# Altium PCB Health Bracelet PCB edited.PcbDoc
Units mm, origin at the board's own origin, x right, y up, seen from the top; angles counter-clockwise.
Board outline 41.07 x 14.09 mm, 2 copper layers (Top Layer, Bottom Layer); 64 components, 52 nets, 261 pads, 122 vias.
Unrouted connection lines stored in the file: 157.
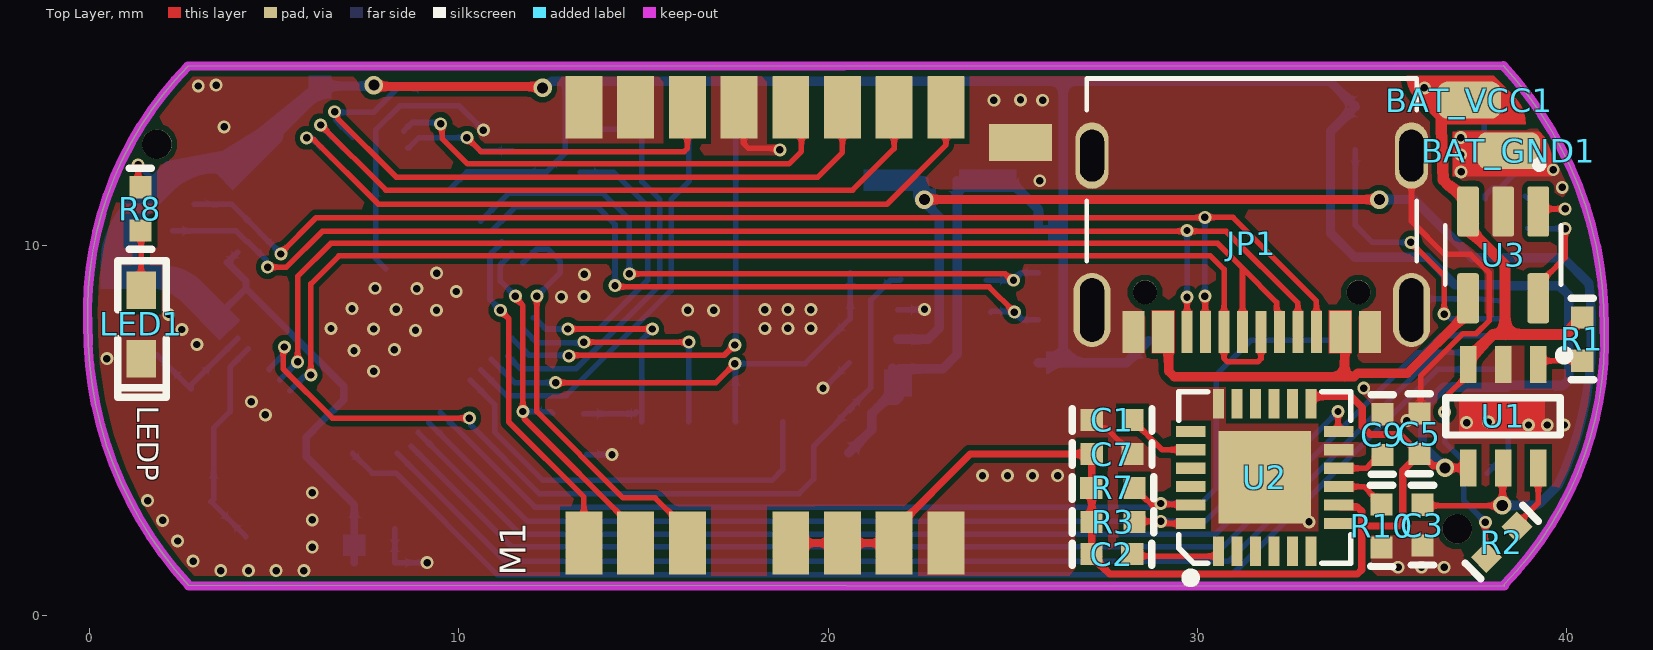
[diagram p0: Top Layer view]
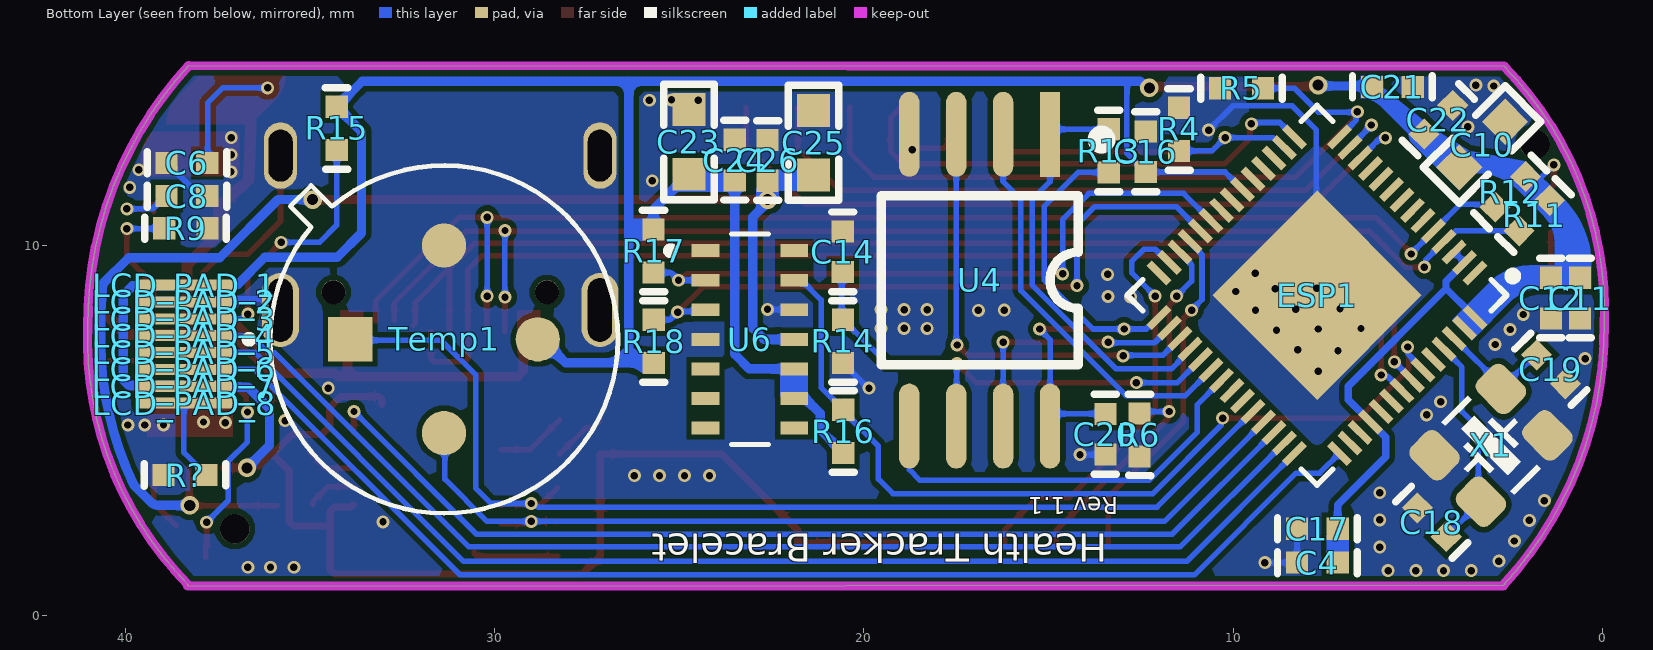
[diagram p1: Bottom Layer view, seen from below]
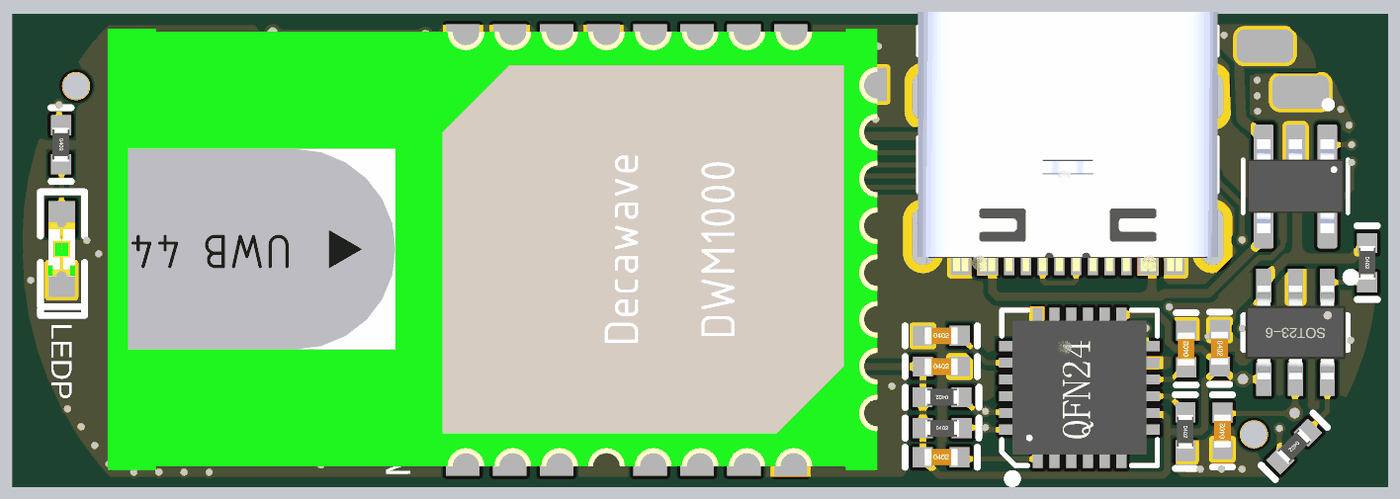
[diagram p2: 3D render of the assembled board from above, using the file's embedded part models]
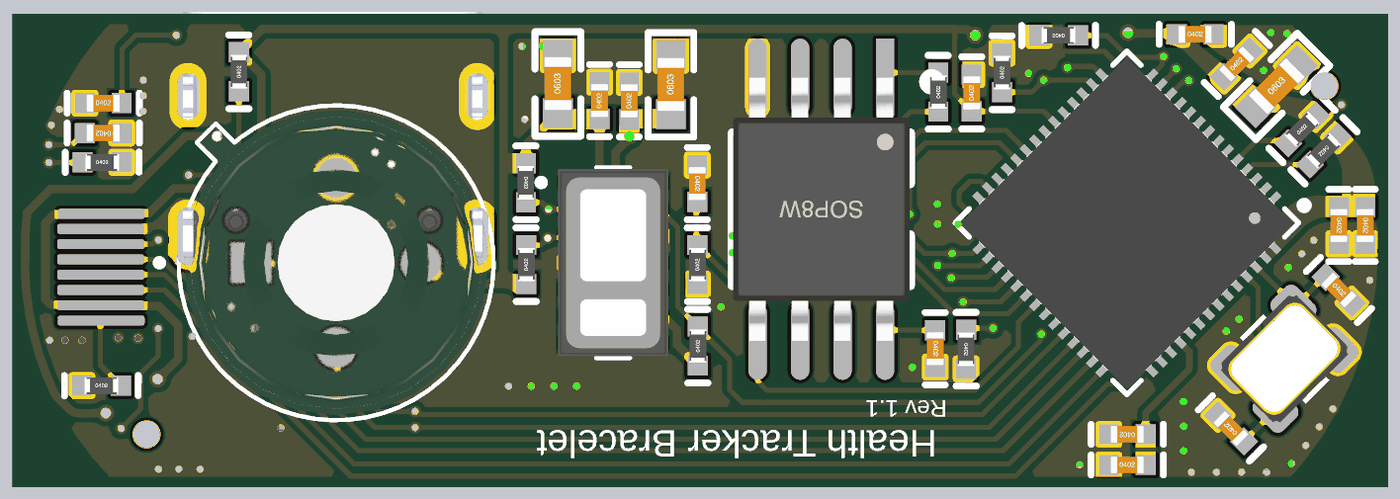
[diagram p3: 3D render of the assembled board from below, using the file's embedded part models]

## Layer stack, top to bottom
Top Solder: solder mask 0.0102, Solder Resist, Dk 3.5
Top Layer: signal copper 0.0356
Dielectric 1: dielectric 0.32, FR-4, Dk 4.8
Bottom Layer: signal copper 0.0356
Bottom Solder: solder mask 0.0102, Solder Resist, Dk 3.5

## Board outline
2.69,0.806 cw(c10.281,7.811) -0.048,7.889 -0.045,7.824 cw(c9.449,8.204) 2.667,14.859 38.28,14.881 cw(c30.688,7.877) 41.017,7.798 41.014,7.864 cw(c31.521,7.483) 38.302,0.828 38.302,0.787

## Design rules (kind name [scope] priority, off if disabled: settings)
Clearance [InNamedPolygon('GND_L01_P002') Or InNamedPolygon('GND_L02_P003')] p1: gap=0.15 ignorepadtopadclearanceinfootprint=FALSE
Clearance Track-Pad [All] p2: gap=0.1 ignorepadtopadclearanceinfootprint=FALSE
ComponentClearance [All] p1: gap=0 collisioncheckmode=3 verticalgap=0 showdistances=FALSE
PolygonConnect PolygonConnect_2 [All vs IsNamedPolygon('GND_L01_P002') Or IsNamedPolygon('GND_L02_P003')] p1: connectstyle=Direct reliefconductorwidth=0.254 reliefentries=4 polygonreliefangle="90 Angle" airgapwidth=0.254
PolygonConnect PolygonConnect_1 [All vs IsNamedPolygon('NONET_L01_P000') Or IsNamedPolygon('NONET_L01_P001')] p2: connectstyle=Direct reliefconductorwidth=0.254 reliefentries=4 polygonreliefangle="90 Angle" airgapwidth=0.254
PolygonConnect [All] p3: connectstyle=Direct reliefconductorwidth=0.254 reliefentries=4 polygonreliefangle="90 Angle" airgapwidth=0.254
RoomDefinition Main [InComponentClass('Main')] p1 off: confinementstyle=ConfineIn formatcopy=TRUE lockcomponents=FALSE outline -0.787,62.865 15.723,62.865 15.723,77.343 -0.787,77.343
RoutingVias [All] p1: holewidth=0.2 width=0.35 viastyle="Through Hole" minholewidth=0.2 minwidth=0.35 maxholewidth=0.5 maxwidth=0.9
SolderMaskExpansion [All] p1: expansion=0.102 istentingtop=FALSE
UnRoutedNet [All] p1: checkbadconnections=TRUE
Width [All] p1: maxlimit=0.5 minlimit=0.15 preferedwidth=0.254
28 further rules are at their usual default settings.

## Components (designator, comment, footprint, x,y, rotation, side; value= is the part's Value field where it differs from the comment)
BAT_GND1 "Test Point Pad" TP07SQ#1 38.43,12.573 r180 top
BAT_VCC1 "Test Point Pad" TP07SQ#1 37.363,13.945 r180 top
C1 "2200pF" "C 0402" 27.689,5.283 r0 top
C2 "0.01uF" "C 0402" 27.686,1.651 r0 top
C3 "1uF" "C 0402" 36.093,2.438 r90 top
C4 "0.1uF" "C 0402" 7.722,1.422 r180 bottom
C5 "1uF" "C 0402" 36.01,4.91 r270 top
C6 "1uF" "C 0402" 38.329,12.243 r180 bottom
C7 "0.1uF" "C 0402" 27.689,4.362 r0 top
C8 "1uF" "C 0402" 38.329,11.347 r0 bottom
C9 "0.1uF" "C 0402" 35.01,4.89 r90 top
C10 "10uF" "C 0603" 3.251,12.751 r135 bottom
C11 "0.1uF" "C 0402" 0.61,8.585 r270 bottom
C12 "0.1uF" "C 0402" 1.397,8.585 r270 bottom
C14 "1uf" "C 0402" 20.574,9.836 r270 bottom
C16 "0.1uF" "C 0402" 12.37,12.548 r90 bottom
C17 "0.1uF" "C 0402" 7.722,2.337 r0 bottom
C18 "=Value" "C 0402" 4.623,2.515 r45 bottom
C19 "=Value" "C 0402" 1.397,6.655 r225 bottom
C20 "1uF" "C 0402" 13.462,4.899 r270 bottom
C21 "1uf" "C 0402" 5.69,14.3 r180 bottom
C22 "10nF" "C 0402" 4.445,13.411 r135 bottom
C23 "10uF" "C 0603" 24.74,12.827 r90 bottom
C24 "0.1uF" "C 0402" 23.495,12.319 r90 bottom
C25 "4.7uF" "C 0603" 21.361,12.802 r90 bottom
C26 "0.1uF" "C 0402" 22.606,12.31 r90 bottom
ESP1 "U?" "ESP32-S3 CHIP" 8.001,8.534 r315 bottom
JP1 "USB-C" USB-C-RIGHT 31.725,11.608 r180 top
LCD_PAD_1 "Test Point Pad" TP07SQ#2 38.386,8.934 r90 bottom
LCD_PAD_2 "Test Point Pad" TP07SQ#2 38.405,8.479 r90 bottom
LCD_PAD_3 "Test Point Pad" TP07SQ#2 38.405,8.023 r90 bottom
LCD_PAD_4 "Test Point Pad" TP07SQ#2 38.405,7.569 r90 bottom
LCD_PAD_5 "Test Point Pad" TP07SQ#2 38.405,7.112 r90 bottom
LCD_PAD_6 "Test Point Pad" TP07SQ#2 38.405,6.655 r90 bottom
LCD_PAD_7 "Test Point Pad" TP07SQ#2 38.405,6.198 r90 bottom
LCD_PAD_8 "Test Point Pad" TP07SQ#2 38.393,5.74 r90 bottom
LED1 "LED-SMD" "LED 0603R" 1.397,7.874 r270 top
M1 "DWM1000" DWM1000 13.894,7.468 r90 top
R1 "10K" "R 0402" 40.411,7.468 r270 top
R2 "10K" "R 0402" 38.227,1.981 r225 top
R3 "10K" "R 0402" 27.718,2.514 r0 top
R4 "10K" "R 0402" 11.455,13.157 r90 bottom
R5 "10K" "R 0402" 9.779,14.275 r0 bottom
R6 "10K" "R 0402" 12.548,4.877 r270 bottom
R7 "10K" "R 0402" 27.708,3.456 r180 top
R8 "1K" "R 0402" 1.372,10.998 r270 top
R9 "1.65K" "R 0402" 38.358,10.465 r180 bottom
R10 "4.7K" "R 0402" 34.976,2.413 r270 top
R11 "10K" "R 0402" 1.854,10.82 r315 bottom
R12 "10K" "R 0402" 2.489,11.455 r135 bottom
R13 "10K" "R 0402" 13.36,12.573 r90 bottom
R14 "10K" "R 0402" 20.56,7.417 r90 bottom
R15 "10K" "R 0402" 34.265,13.183 r90 bottom
R16 "10K" "R 0402" 20.549,4.978 r90 bottom
R17 "10K" "R 0402" 25.705,9.855 r270 bottom
R18 "10K" "R 0402" 25.679,7.417 r90 bottom
R? "10K" "R 0402" 38.379,3.785 r180 bottom
Temp1 "MLX90614" MLX90614 31.369,7.468 r180 bottom
U1 "MIC5320" SOT23-6L 38.278,5.385 r180 top
U2 "MPU6050" QFN24 31.822,3.727 r90 top
U3 "LTC4054" SOT25-5L 38.278,9.754 r270 top
U4 "W25Qxx" SOP8W_N 16.866,9.068 r270 bottom
U6 "MAX30102" MAX30102 23.089,7.468 r180 bottom
X1 "40M" XTAL-3225-4 3.023,4.597 r315 bottom

## Footprints (in the part's own frame and the unit in brackets; to place one, negate y for a bottom-side part, rotate by r counter-clockwise, add the part's x,y. Pads: shape width x height; smd on the part's side, far side on the other; paste and mask are expansions set on the pad)
"C 0402" [mm] "ï¿½Þ¼ï¿½ï¿½ï¿½ï¿½ï¿½Æ¬ï¿½ï¿½ï¿½ï¿½"
  rect 0.6x0.6 smd: 1(-0.55,0) 2(0.55,0)
  silkscreen extent -1.08,-0.3 1.08,0.3, body extent -0.5,-0.26 0.5,0.26, height 0.51
"C 0603" [mil] "ï¿½Þ¼ï¿½ï¿½ï¿½ï¿½ï¿½Æ¬ï¿½ï¿½ï¿½ï¿½"
  rect 35x35 smd: 1(-35,0) 2(34,0)
  silkscreen extent -62,-27 61,27, body extent -31,-16 31,16, height 32
DWM1000 [mm]
  rect 1.7x1 smd: 1(-5.517,0.505) 2(-5.517,-0.895) 3(-5.517,-2.295) 5(-5.517,-5.095) 6(-5.517,-6.495) 7(-5.517,-7.895) 8(-5.517,-9.295) 17(6.283,-9.295) 18(6.283,-7.895) 19(6.283,-6.495) 20(6.283,-5.095) 21(6.283,-3.695) 22(6.283,-2.295) 23(6.283,-0.895) 24(6.283,0.505)
  rect 1x1.7 smd: 16(5.332,-11.318)
  body extent -6.19,-11.89 7.01,11.11, height 2.9
"ESP32-S3 CHIP" [mil]
  rect 30x8 smd paste+0 mask+0: 1(-147,106.36) 2(-147,90.61) 3(-147,74.87) 4(-147,59.12) 5(-147,43.37) 6(-147,27.62) 7(-147,11.87) 8(-147,-3.87) 9(-147,-19.62) 10(-147,-35.37) 11(-147,-51.12) 12(-147,-66.87) 13(-147,-82.61) 14(-147,-98.36) 29(125,-98.36) 30(125,-82.61) 31(125,-66.87) 32(125,-51.12) 33(125,-35.37) 34(125,-19.62) 35(125,-3.87) 36(125,11.87) 37(125,27.62) 38(125,43.37) 39(125,59.12) 40(125,74.87) 41(125,90.61) 42(125,106.36)
  rect 8x30 smd paste+0 mask+0: 15(-113.36,-132) 16(-97.61,-132) 17(-81.87,-132) 18(-66.12,-132) 19(-50.37,-132) 20(-34.62,-132) 21(-18.87,-132) 22(-3.13,-132) 23(12.62,-132) 24(28.37,-132) 25(44.12,-132) 26(59.87,-132) 27(75.61,-132) 28(91.36,-132) 43(91.36,140) 44(75.61,140) 45(59.87,140) 46(44.12,140) 47(28.37,140) 48(12.62,140) 49(-3.13,140) 50(-18.87,140) 51(-34.62,140) 52(-50.37,140) 53(-66.12,140) 54(-81.87,140) 55(-97.61,140) 56(-113.36,140)
  rect 158x158 smd paste-78.5 mask+0: 57(-11,4)
  silkscreen extent -177,-139 132,147, body extent -150,-135 128,143, height 35
"LED 0603R" [mm] "ï¿½ï¿½É«0603LED"
  rect 1.016x0.8 smd: 1(-0.927,0) 2(0.927,0)
  silkscreen extent -1.71,-0.63 1.98,0.69, body extent -0.8,-0.4 0.8,0.4, height 0.61
MAX30102 [mm]
  rect 0.75x0.35 smd: 1(-1.2,2.4) 2(-1.2,1.6) 3(-1.2,0.8) 4(-1.2,0) 5(-1.2,-0.8) 6(-1.2,-1.6) 7(-1.2,-2.4) 8(1.2,-2.4) 9(1.2,-1.6) 10(1.2,-0.8) 11(1.2,0) 12(1.2,0.8) 13(1.2,1.6) 14(1.2,2.4)
  silkscreen extent -2.25,-2.85 0.51,2.85, body extent -1.65,-2.8 1.65,2.8, height 1.65
MLX90614 [mm]
  rect 1.198x1.198 smd: 1(-2.54,0)
  round 1.198 smd: 2(0,-2.54) 3(2.54,0) 4(0,2.54)
  silkscreen extent -5.38,-4.71 4.71,4.71, body extent -4.56,-4.56 4.56,4.56, height 4.25
QFN24 [mm]
  rect 2.5x2.5 smd: 0(0.005,0)
  rect 0.8x0.3 smd: 1(-2,1.25) 2(-2,0.75) 3(-2,0.25) 4(-2,-0.25) 5(-2,-0.75) 6(-2,-1.25) 13(2,-1.25) 14(2,-0.75) 15(2,-0.25) 16(2,0.25) 17(2,0.75) 18(2,1.25)
  rect 0.3x0.8 smd: 7(-1.25,-2) 8(-0.75,-2) 9(-0.25,-2) 10(0.25,-2) 11(0.75,-2) 12(1.25,-2) 19(1.25,2) 20(0.75,2) 21(0.25,2) 22(-0.25,2) 23(-0.75,2) 24(-1.25,2)
  silkscreen extent -2.84,-2.32 2.32,2.32, body extent -2,-2 2.01,2, height 0.9
"R 0402" [mm] "1/16Wï¿½ï¿½Æ¬ï¿½ï¿½ï¿½ï¿½"
  rect 0.6x0.6 smd: 1(-0.587,0.009) 2(0.582,0.009)
  silkscreen extent -1.11,-0.29 1.1,0.31, body extent -0.5,-0.24 0.5,0.26, height 0.3
SOP8W_N [mm] "5.3*8.3*1.8mm£¨³¤¿í¸ß£©"
  rect 2.3x0.55 smd: 1(-3.95,1.905)
  oval 2.3x0.55 smd: 2(-3.95,0.635) 3(-3.95,-0.635) 4(-3.95,-1.905) 5(3.95,-1.905) 6(3.95,-0.635) 7(3.95,0.635) 8(3.95,1.905)
  silkscreen extent -3.94,-2.67 2.29,3.43, body extent -3.94,-2.64 3.94,2.64, height 1.9
SOT23-6L [mm] "3x1.6x1.1mm(ï¿½ï¿½ï¿½ï¿½ï¿½)"
  rect 0.45x1 smd: 1(-0.95,-1.397) 2(0,-1.397) 3(0.95,-1.397) 4(0.95,1.397) 5(0,1.397) 6(-0.95,1.397)
  silkscreen extent -1.78,-1.78 1.55,0.51, body extent -1.5,-1.4 1.5,1.4, height 1.15
SOT25-5L [mm]
  rrect25% 1.36x0.59 smd: 1(-1.175,0.95) 2(-1.175,0) 3(-1.175,-0.95) 4(1.175,-0.95) 5(1.175,0.95)
  silkscreen extent -2.54,-1.57 0.8,1.57, body extent -1.4,-1.45 1.4,1.45, height 1.45
TP07SQ#1 [mm] "Square SMD Test Pin; 0.7 mm"
  rrect50% 1.7x1 smd: 1(0,0)
TP07SQ#2 [mm] "Square SMD Test Pin; 0.7 mm"
  rrect50% 0.3x2.6 smd: 1(0,0)
USB-C-RIGHT [mm]
  rect 0.3x1.14 smd: A1(-3.096,3.937) A4(-2.296,3.937) A5(-0.996,3.937) A6(0.004,3.937) A7(0.504,3.937) A8(1.504,3.937) A9(2.804,3.937) A12(3.604,3.937) B1(3.304,3.937) B4(2.504,3.937) B5(2.004,3.937) B6(1.004,3.937) B7(-0.496,3.937) B8(-1.496,3.937) B9(-1.996,3.937) B12(-2.796,3.937)
  oval 1x2 hole 0.65 slot 1.72 at 90 deg: S1(-4.071,3.347) S2(4.579,3.347)
  oval 0.9x1.8 hole 0.65 slot 1.4 at 90 deg: S3(-4.071,-0.833) S4(4.579,-0.833)
  round 0.65 hole 0.65 unplated: ""(-2.636,2.867) ""(3.144,2.867)
  silkscreen extent -4.22,-2.92 4.72,2.03, body extent -4.22,-3.36 4.72,4.39, height 3.26
XTAL-3225-4 [mil]
  rrect50% 40x48 smd: 1(-50,-35) 2(50,-35) 3(50,35) 4(-50,35)
  silkscreen extent -37,-54 38,54, body extent -63,-49 63,49, height 41

## Part data
C1 C2 C3 C4 C5 C6 C7 C8 C9 C10 C11 C12 C14 C16 C17 C18 C19 C20 C21 C22 C23 C24 C25 C26: library part C, "Non-polar patch capacitor", BOM名称=无极性贴片电容, 学习资源=www.ooocke.com, 版权归属=源创客
ESP1: library part "ESP32-S3 CHIP"
JP1: library part USB-C-RIGHT
LED1: "Patch LED", BOM名称=贴片LED, 学习资源=www.ooocke.com, 版权归属=源创客
R1 R2 R3 R4 R5 R6 R7 R8 R9 R10 R11 R12 R13 R14 R15 R16 R17 R18 R?: library part R, "Chip resistor", BOM名称="Chip resistor", 学习资源=www.ooocke.com, 版权归属=源创客
Temp1: "Temperature Sensor Digital, Infrared (IR) -40°C ~ 85°C 16 b TO-39", Auther="AmirHosein Yousefi"
U2: "Six-axis accelerometer"
U3: "Battery Charger", Type=SOT23-5
U4: "External flash", BOM名称=外置Flash, 学习资源=www.ooocke.com, 版权归属=源创客
X1: library part XTAL-4, "4-Pin crystal", BOM名称=4脚晶振, 学习资源=www.ooocke.com, 版权归属=源创客
BAT_GND1 BAT_VCC1 LCD_PAD_1 LCD_PAD_2 LCD_PAD_3 LCD_PAD_4 LCD_PAD_5 LCD_PAD_6 LCD_PAD_7 LCD_PAD_8: Category=MISC, Company="SJ Libraries", ComponentLink1Description=Datasheet, Designer="Eng. Saeid Jorablo", HelpURL=http://s3.picofile.com/file/7443264187/Coming_Soon_logo.gif, Mounting Technology="Surface Mount\Through-Hole", Pin Count=0, Update Date=6/3/2012

## Free pads (board coordinates)
  round 0.8 hole 0.8: 2(1.829,12.751) 2(37.033,2.337)

## Via types
v1: diameter 0.35, hole 0.2, Top Layer to Bottom Layer, tented both sides, 116 vias
v2: diameter 0.5, hole 0.3, Top Layer to Bottom Layer, tented both sides, 6 vias

## Nets (pads, with @x,y where several pads share a name; then routed paths per layer and width w, separated by ;. In a path a pad name is that pad's centre, name@x,y a point inside that pad or via, vN(x,y) a via of type N, cw(c..) or ccw(c..) an arc to the next point about the centre after c; other vN are vias at no path point)
1.8V: C3.2 C25.1 C26.1 U1.5 U6.11 | length 36.9
  Top Layer w0.15: C3.2@35.89,2.963 38.244,2.963 v2(38.252,2.972) ; v2@38.214,3.01 38.278,3.073 U1.5 ; v2@38.252,3.073 U1.5@38.252,3.687
  Top Layer w0.254: v2(22.606,11.252) v2(34.925,11.252)
  Bottom Layer w0.254: C25.1 21.514,11.76 22.555,11.76 C26.1@22.581,11.735 ; U6.11 22.708,7.468 23.012,7.772 23.012,10.779 22.606,11.186 C26.1 ; v2@34.95,11.278 34.976,11.252 35.865,11.252 37.44,9.677 39.903,9.677 40.602,8.979 cw(c30.688,7.877) 40.658,8.208 cw(c40.404,8.199) 40.658,8.204 cw(c25.262,7.893) 40.661,7.887 cw(c40.407,7.888) 40.661,7.878 ccw(c41.014,7.864) 40.661,7.847 cw(c31.521,7.483) 40.661,7.845 cw(c31.521,7.483) 39.783,3.557 cw(c39.554,3.667) 39.734,3.488 39.31,3.064 cw(c39.087,3.287) 39.087,2.972 v2(38.252,2.972)
3.3V: C2.1 C4.2 C5.2 C7.1 C10.1 C11.1 C12.1 C16.1 C17.1 C21.1 C22.1 C23.1 C24.1 ESP1.2 ESP1.3 ESP1.20 ESP1.46 ESP1.55 ESP1.56 LCD_PAD_1.1 LCD_PAD_7.1 M1.5 M1.6 M1.7 R3.1 R7.2 R8.1 R11.1 R12.2 R15.2 R16.1 R17.1 R18.1 Temp1.3 U1.4 U2.8 U2.13 U6.9 U6.10 | length 133.2
  Top Layer w0.15: v1(1.321,12.192) 1.321,11.645 R8.1
  Top Layer w0.2: M1.5 M1.6 M1.7 21.789,2.301 23.851,4.362 C7.1 ; C7.1@27.108,4.362 C7.1@27.153,4.318 ; C7.1@27.139,4.318 27.139,3.447 27.139,2.523 27.139,1.6 27.364,1.375 27.625,1.114 34.333,1.114 34.45,1.232 34.45,2.417 ; U2.13@33.055,5.702 33.055,5.843 33.13,5.918 34.163,5.918 34.46,5.621 34.46,5.107 34.676,4.891 35.479,4.891 C5.2 35.56,3.91 35.56,2.53 35.443,2.413 34.454,2.413 34.45,2.417 ; U2.8 33.872,2.927 34.333,2.927 34.45,2.81 34.45,2.417 ; C5.2@36.017,4.403 36.379,4.041 36.649,4.041 v2(36.703,3.988) U1.4
  Top Layer w0.254: v2(7.7,14.35) 7.738,14.312 12.231,14.312 v2(12.268,14.275)
  Bottom Layer w0.15: v1(1.321,12.192) 1.803,11.709 R12.2@1.905,11.709 ; ESP1.56@3.454,8.179 ESP1.56@3.573,8.179 ; ESP1.2 ESP1.3 ; C17.1@7.163,2.286 C17.1@7.172,2.277 ; ESP1.20 10.221,11.998 C16.1 12.878,12.506 12.878,14.453
  Bottom Layer w0.2: ESP1.56@3.573,8.179 4.238,8.843 ; ESP1.2 4.238,9.043 4.238,8.843 ; C4.2 C17.1@7.172,2.277 ; C17.1 7.172,2.988 5.867,4.293 5.867,4.816 ESP1.46 6.883,5.832 6.883,6.198 4.238,8.843
  Bottom Layer w0.254: R11.1 0.61,10.406 C11.1 C12.1 2.371,9.135 ESP1.56@3.391,8.115 ; R11.1@1.44,11.229 1.862,11.651 R12.2 ; R12.2@2.008,11.949 2.272,11.949 2.445,12.122 3.934,12.122 C22.1 5.939,14.127 6.067,14.127 6.265,14.325 7.675,14.325 v2(7.7,14.35) ; ESP1.56 3.645,7.861 ; v2(12.268,14.275) 12.335,14.275 12.513,14.453 12.878,14.453 ; 12.878,14.457 26.365,14.457 ; R16.1 21.184,5.018 21.184,5.461 21.542,5.82 21.841,5.82 21.923,5.902 21.923,6.668 23.101,6.668 23.495,7.061 C24.1 ; U6.10@21.742,6.68 U6.10@21.768,6.655 ; C24.1@23.613,11.769 24.571,11.769 C23.1@24.727,11.925 ; C23.1@24.765,11.887 24.79,11.887 25.057,11.621 25.696,10.982 R17.1 26.286,10.442 26.365,10.363 ; R18.1 26.365,6.83 26.365,14.457 ; 26.365,6.833 28.078,6.833 Temp1.3@28.682,7.437 ; R15.2@34.265,13.792 34.246,13.792 33.581,14.457 26.365,14.457 ; R15.2 33.604,13.095 33.604,10.346 34.26,9.69 36.22,9.69 36.963,8.947 38.372,8.947 38.406,8.914 39.803,8.914 40.056,8.661 40.056,6.369 39.907,6.221 38.428,6.221 38.382,6.175 36.675,6.175 36.093,5.593 36.093,4.597 v2(36.703,3.988)
5V: JP1.A4 JP1.A9 JP1.B4 JP1.B9 U3.4 | length 11.4
  Top Layer w0.254: JP1.A9@28.921,7.521 29.07,7.671 JP1.B4@29.145,7.596 ; JP1.B4 29.221,7.52 29.221,6.6 29.369,6.452 33.985,6.452 ; JP1.A4@33.985,7.569 33.985,6.452 ; U3.4@37.262,8.23 37.262,8.128 35.684,6.549 34.336,6.549 34.238,6.452 33.985,6.452
DWM_CLK: ESP1.15 M1.20 | length 13
  Top Layer w0.15: v1(9.51,13.3) 9.548,13.262 9.548,12.905 10.236,12.217 18.937,12.217 19.279,12.559 19.279,13.461 M1.20
  Bottom Layer w0.15: ESP1.15@8.509,13.106 8.741,13.338 9.472,13.338 v1(9.51,13.3)
DWM_CS: ESP1.12 M1.17 | length 20.6
  Top Layer w0.15: v1(5.88,12.92) 5.918,12.882 6.067,12.882 7.823,11.125 21.59,11.125 23.189,12.724 M1.17
  Bottom Layer w0.15: v1(5.88,12.92) 5.911,12.889 6.048,12.889 6.55,12.387 ESP1.12@6.562,12.387
DWM_EXTON: ESP1.25 M1.1 | length 9.3
  Top Layer w0.15: v1(11.125,8.255) 11.354,8.026 11.354,5.232 13.389,3.197 M1.1
  Bottom Layer w0.15: v1(11.125,8.255) 11.125,8.262 10.846,8.541 10.846,9.759 11.164,10.077 ESP1.25
DWM_IRQ: ESP1.16 M1.22 R4.1 | length 10.4
  Top Layer w0.15: v1(10.22,12.93) 10.602,12.548 16.101,12.548 16.189,12.635 M1.22
  Bottom Layer w0.15: ESP1.16 8.656,12.658 8.928,12.93 v1(10.22,12.93) 10.58,12.57 R4.1
DWM_MISO: ESP1.14 M1.19 R5.1 | length 19.8
  Top Layer w0.15: v1(6.64,13.63) 6.64,13.576 6.722,13.494 6.722,13.446 8.307,11.862 19.722,11.862 20.389,12.529 M1.19
  Bottom Layer w0.15: ESP1.14 6.678,13.39 6.678,13.592 v1(6.64,13.63) 6.655,13.615 7.695,13.615 8.346,14.266 R5.1
DWM_MOSI: ESP1.13 M1.18 | length 18.7
  Top Layer w0.15: v1(6.262,13.27) 8.026,11.506 20.666,11.506 21.789,12.629 M1.18
  Bottom Layer w0.15: v1(6.262,13.27) 6.262,13.255 6.845,12.673 ESP1.13
DWM_RSTN: ESP1.27 M1.3 | length 11.4
  Top Layer w0.15: v1(12.116,8.636) 12.116,5.512 14.453,3.175 15.315,3.175 16.189,2.301 M1.3
  Bottom Layer w0.15: ESP1.27 11.75,9.547 12.109,9.906 12.421,9.906 12.751,9.576 12.751,9.271 v1(12.116,8.636)
DWM_WAKEUP: ESP1.26 M1.2 R6.1 | length 10.4
  Top Layer w0.15: v1(11.532,8.636) 11.532,8.582 11.735,8.379 v1@11.735,5.461 ; v1(11.735,5.512) 11.773,5.474 11.773,5.317 14.789,2.301 M1.2
  Bottom Layer w0.15: ESP1.26@11.43,9.804 11.43,9.781 11.125,9.476 11.125,9.042 v1(11.532,8.636) ; v1(11.735,5.512) 12.49,5.512 R6.1
ESP_EN: ESP1.4 JP1.A5 JP1.B5 R11.2 | length 35.4
  Top Layer w0.15: v1(4.826,9.423) 5.334,9.423 6.305,10.394 29.718,10.394 30.779,10.394 32.721,8.453 JP1.A5@32.721,7.981 ; v1(29.718,8.611) 29.719,8.609 29.719,7.672 JP1.B5
  Bottom Layer w0.15: R11.2 3.972,10.403 4.266,10.108 4.299,10.108 4.788,9.619 4.788,9.462 v1(4.826,9.423) ; v1(29.718,8.611) v1(29.718,10.414)
ESP_IO0: ESP1.5 JP1.A8 JP1.B8 R12.1 | length 36
  Top Layer w0.15: v1(5.182,9.779) 5.182,9.804 6.141,10.764 30.195,10.764 v1(30.201,10.77) 30.963,10.77 33.223,8.509 JP1.B8@33.223,7.976 ; v1(30.201,8.636) 30.211,8.626 30.211,7.681 JP1.A8
  Bottom Layer w0.15: R12.1@2.834,11.123 3.854,11.123 ESP1.5 4.582,10.387 5.182,9.787 v1(5.182,9.779) ; v1(30.201,8.636) v1(30.201,10.77)
ESP_RXD: ESP1.50 JP1.A7 JP1.B7 | length 32.9
  Top Layer w0.15: v1(5.639,6.858) 5.639,9.169 6.533,10.064 30.551,10.064 31.233,9.381 32.146,8.469 32.146,7.91 JP1.B7@32.207,7.849 ; JP1.A7 31.221,9.369
  Bottom Layer w0.15: ESP1.50 5.148,6.363 5.639,6.854 v1(5.639,6.858)
ESP_TXD: ESP1.49 JP1.A6 JP1.B6 | length 32.5
  Top Layer w0.15: v1(5.994,6.502) 5.994,8.966 6.756,9.728 30.353,9.728 30.721,9.361 JP1.B6@30.721,7.76 ; JP1.B6 30.721,6.946 30.808,6.858 31.633,6.858 31.721,6.946 JP1.A6
  Bottom Layer w0.15: ESP1.49 5.818,6.464 5.956,6.464 v1(5.994,6.502)
GND: BAT_GND1.1 C1.1 C3.1 C4.1 C5.1 C6.1 C7.2 C8.1 C9.2 C10.2 C11.2 C12.2 C14.1 C16.2 C17.2 C18.2 C19.2 C20.2 C21.2 C22.2 C23.2 C24.2 C25.2 C26.2 ESP1.57 JP1.A1 JP1.A12 JP1.B1 JP1.B12 JP1.S1 JP1.S2 JP1.S3 JP1.S4 LCD_PAD_2.1 LED1.2 M1.8 M1.16 M1.21 M1.23 M1.24 R4.2 R5.2 R6.2 R9.2 R10.2 R14.1 R?.1 Temp1.4 U1.2 U2.0 U2.11 U2.18 U3.2 U4.4 U6.4 U6.12 X1.2 X1.4 | length 28.2
  Top Layer w0.15: M1.21 17.716,13.624 17.716,12.764 17.843,12.637 18.656,12.637 v1(18.694,12.598) ; C1.1@27.153,5.258 27.352,5.058 27.543,5.058 C7.2 ; JP1.S3@35.796,12.148 35.796,10.664 36.69,9.77 37.398,9.77 37.897,9.271 37.897,7.968 37.548,7.62 37.194,7.62 36.043,6.469 C5.1@36.043,5.512
  Bottom Layer w0.15: ESP1.57@8.026,9.373 7.747,9.652 7.747,13.132 8.407,13.792 8.818,13.792 8.82,13.791 9.565,13.791 9.566,13.792 10.008,13.792 v1@10.67,13.13 ; C4.1 v1(9.144,1.422) ; C4.1@8.272,1.439 C17.2 ; C20.2 13.467,4.343 v1(14.148,4.343) ; v1(19.863,6.147) 19.886,6.147 R14.1 ; U6.12 21.895,8.274 22.604,8.274 v1(22.61,8.28) ; JP1.S1 36.095,8.56 37.597,8.56 LCD_PAD_2.1 ; C8.1@37.795,11.278 37.795,11.363 38.004,11.572 38.208,11.572 C6.1
  other v1: 3.556,1.206 4.306,1.206 5.056,1.206 5.805,1.206 35.433,1.295 36.068,1.295 36.678,1.295 2.808,1.46 6.034,1.841 2.388,2.007 33.019,2.526 1.981,2.565 6.034,2.577 1.575,3.099 6.034,3.314 24.181,3.777 24.858,3.777 25.535,3.777 26.213,3.777 38.964,5.149 39.472,5.149 39.929,5.149 37.29,5.21 37.88,5.23 35.669,5.266 4.764,5.422 4.383,5.778 34.503,6.147 7.696,6.604 0.471,6.946 7.163,7.163 8.255,7.188 2.91,7.327 8.828,7.708 2.503,7.734 6.542,7.759 7.696,7.747 18.288,7.765 18.91,7.765 19.533,7.765 2.148,8.14 9.398,8.255 16.199,8.256 16.9,8.25 8.306,8.28 18.288,8.273 18.91,8.273 19.533,8.273 7.109,8.298 12.779,8.616 13.389,8.626 9.931,8.763 7.736,8.851 8.865,8.839 13.399,9.226 9.4,9.26 39.878,11.582 25.73,11.76 37.14,12 39.633,12.058 37.13,12.465 37.13,12.93 10.668,13.132 3.646,13.22 24.49,13.94 25.21,13.95 25.81,13.94 2.946,14.326 3.429,14.351
INT: ESP1.40 U2.12 | length 28
  Top Layer w0.15: U2.12@33.805,4.952 33.807,4.954 v1(33.807,5.512)
  Bottom Layer w0.15: ESP1.40 11.656,2.19 30.486,2.19 v1(33.807,5.512)
LCD_CS: LCD_PAD_8.1 R?.2 | length 2.2
  Bottom Layer w0.15: R?.2@37.846,3.835 38.414,4.403 38.414,5.673 LCD_PAD_8.1@38.481,5.74
LCD_RESET: LCD_PAD_3.1 R15.1 | length 7.8
  Top Layer w0.15: v1(35.78,10.092) 36.68,9.192 v1(36.68,8.15)
  Bottom Layer w0.15: R15.1 34.274,10.557 34.739,10.092 v1(35.78,10.092) ; v1(36.68,8.15) 36.734,8.15 36.861,8.023 LCD_PAD_3.1
LCD_RS/DC: ESP1.41 LCD_PAD_4.1 | length 33.2
  Bottom Layer w0.15: ESP1.41@8.712,4.572 11.43,1.854 30.704,1.854 35.955,7.105 36.126,7.105 36.346,7.325 36.591,7.569 LCD_PAD_4.1
LCD_SCL: ESP1.43 LCD_PAD_6.1 | length 35
  Bottom Layer w0.15: ESP1.43 7.661,3.846 8.295,3.846 11.052,1.089 30.929,1.089 36.495,6.655 LCD_PAD_6.1 ; LCD_PAD_6.1@38.398,6.577 LCD_PAD_6.1@38.405,6.583
LCD_SDA: ESP1.42 LCD_PAD_5.1 | length 32.7
  Bottom Layer w0.15: ESP1.42 11.258,1.456 30.836,1.456 36.492,7.112 LCD_PAD_5.1@37.49,7.112
MAX30102_INT: ESP1.51 R16.2 U6.13 | length 24.1
  Top Layer w0.15: v1(5.28,7.26) 5.242,7.222 5.242,6.671 6.579,5.334 v1(10.287,5.334)
  Bottom Layer w0.15: ESP1.51 4.865,6.669 5.28,7.084 v1(5.28,7.26) ; v1(10.287,5.334) 10.325,5.296 10.325,5.143 12.178,3.291 19.217,3.291 19.609,3.683 19.609,4.572 20.333,5.296 20.333,5.335 20.538,5.54 20.577,5.54 R16.2@20.656,5.619 ; R16.2 21.156,6.158 21.156,8.535 21.689,9.068 U6.13 21.945,9.068 U6.13@21.971,9.093
MAX30102_SCL: ESP1.23 R17.2 U6.2 | length 18.1
  Top Layer w0.15: v1(14.62,9.24) 24.793,9.24 24.965,9.068 v1(25.019,9.068)
  Bottom Layer w0.15: ESP1.23@10.592,10.668 11.344,11.42 13.91,11.42 14.62,10.71 v1(14.62,9.24) ; U6.2 v1(25.019,9.068) 25.225,9.274 R17.2
MAX30102_SDA: ESP1.24 R18.2 U6.3 | length 17.9
  Top Layer w0.15: v1(14.23,8.92) 14.26,8.89 24.359,8.89 v1(25.044,8.204)
  Bottom Layer w0.15: ESP1.24@10.922,10.439 11.543,11.06 13.75,11.06 14.23,10.58 v1(14.23,8.92) ; U6.3@24.409,8.204 24.429,8.223 25.044,8.223 v1(25.044,8.204) 25.25,7.998 R18.2
NetC1_2: C1.2 U2.20 | length 1.9
  Top Layer w0.15: C1.2 29.045,4.477 U2.20
NetC2_2: C2.2 U2.1 | length 2.3
  Top Layer w0.15: C2.2@28.287,1.6 30.48,1.6 30.555,1.675 U2.1@30.555,1.702
NetC8_2: C8.2 U3.1 | length 2.2
  Top Layer w0.15: U3.1 39.228,11.127 39.356,10.998 v1(39.954,10.998)
  Bottom Layer w0.15: C8.2 39.104,11.122 39.133,11.122 39.257,10.998 v1(39.954,10.998)
NetC9_1: C9.1 U2.10 | length 1.4
  Top Layer w0.15: U2.10 34.575,3.977 C9.1@35.001,4.403
NetC18_1: C18.1 ESP1.53 X1.3 | length 5.9
  Bottom Layer w0.15: C18.1 4.234,2.129 X1.3 3.364,3.143 3.364,5.066 3.81,5.512 3.81,6.718 ESP1.53
NetC19_1: C19.1 ESP1.54 X1.1 | length 3.2
  Bottom Layer w0.15: C19.1 1.834,7.044 X1.1 2.753,6.227 ESP1.54
NetJP1_A2: 
NetJP1_A10: 
NetJP1_B2: 
NetJP1_B10: 
NetLED1_1: LED1.1 R8.2 | length 1.6
  Top Layer w0.15: LED1.1 R8.2@1.397,10.363
NetR9_1: R9.1 U3.5 | length 3.2
  Top Layer w0.15: U3.5 39.228,8.964 39.448,9.184 39.46,9.184 39.954,9.677 v1(39.954,10.465)
  Bottom Layer w0.15: R9.1 38.953,10.465 v1(39.954,10.465)
NetR10_1: R10.1 U2.9 | length 1.4
  Top Layer w0.15: U2.9 34.507,3.477 34.925,3.06 R10.1@34.925,2.984
REGULATOR_EN1V8: R1.2 U1.1 | length 1.2
  Top Layer w0.15: U1.1 39.332,6.886 R1.2
REGULATOR_EN3V3: R2.1 U1.6 | length 1.8
  Top Layer w0.15: R2.1@38.622,2.427 39.228,3.033 U1.6
SCL: ESP1.38 R7.1 Temp1.1 U2.23 | length 30.9
  Top Layer w0.15: R7.1 28.765,2.976 28.842,2.976 28.85,2.984 28.969,2.984 v1(29.007,3.023) 29.029,3 29.797,3 U2.23@29.821,2.976
  Bottom Layer w0.15: ESP1.38@9.5,5.486 12.062,2.924 28.819,2.924 28.847,2.952 28.882,2.952 28.953,3.023 30.099,3.023 30.505,3.429 30.505,6.502 31.445,7.442 Temp1.1@33.858,7.442
SDA: ESP1.39 R3.2 Temp1.2 U2.24 | length 26.5
  Top Layer w0.15: R3.2 28.316,2.54 v1(29.007,2.54) 29.061,2.54 29.124,2.477 U2.24
  Bottom Layer w0.15: ESP1.39@9.186,5.216 11.862,2.54 v1(29.007,2.54) 30.201,2.54 31.344,3.683 31.344,4.75 Temp1.2@31.445,4.851
SPICLK: C14.2 ESP1.33 R14.2 U4.6 | length 13.5
  Top Layer w0.15: v1(12.624,6.294) 16.962,6.294 v1(17.475,6.807)
  Bottom Layer w0.15: ESP1.33 11.512,6.294 v1(12.624,6.294) ; U4.6@17.501,5.232 17.488,5.245 17.488,6.794 v1(17.475,6.807) 19.378,6.807 R14.2 ; R14.2@20.573,8.002 20.599,8.029 C14.2@20.599,9.271
SPICS0: ESP1.32 R13.2 U4.1 | length 11.3
  Bottom Layer w0.15: ESP1.32@11.329,7.01 11.674,6.665 13.167,6.665 15.443,8.941 15.443,11.252 14.96,11.735 U4.1@14.96,13.132 ; R13.2@13.293,13.155 14.963,13.155 U4.1@14.986,13.132
SPID: ESP1.35 U4.5 | length 11.4
  Bottom Layer w0.15: ESP1.35 10.973,5.702 10.973,4.953 12.268,3.658 18.491,3.658 18.771,3.937 U4.5@18.771,5.232
SPIHD: ESP1.30 U4.7 | length 6.8
  Top Layer w0.15: v1(13.386,7.391) v1(16.231,7.391)
  Bottom Layer w0.15: ESP1.30 12.131,7.372 13.366,7.372 v1(13.386,7.391) ; U4.7@16.231,5.232 v1(16.231,7.391)
SPIQ: ESP1.34 U4.2 | length 11.2
  Bottom Layer w0.15: ESP1.34 11.297,5.944 12.903,5.944 15.748,8.788 15.748,11.252 16.231,11.735 U4.2@16.231,13.132
SPIWP: ESP1.31 U4.3 | length 12.1
  Top Layer w0.15: v1(12.979,7.022) 12.994,7.036 17.189,7.036 17.468,7.315 v1(17.475,7.315)
  Bottom Layer w0.15: ESP1.31 11.901,7.036 12.965,7.036 v1(12.979,7.022) ; v1@17.475,7.341 17.501,7.366 U4.3@17.501,13.132
Vbat: BAT_VCC1.1 C6.2 R1.1 R2.2 U1.3 U3.3 | length 20.8
  Top Layer w0.15: v1(36.69,5.5) 36.721,5.531 36.721,5.9 37.328,6.507 U1.3 ; v1(37.795,2.515) 37.795,1.909 37.822,1.882 R2.2
  Top Layer w0.3: U1.3 37.328,7.057 37.403,7.132 37.537,7.132 38,7.595 38.329,7.595 ; U3.3 37.473,10.784 37.473,10.33 38.329,9.474 38.329,7.595 ; BAT_VCC1.1 37.068,13.945 36.725,13.602 36.725,13.543 36.689,13.507 36.601,13.419 36.601,13.17 36.656,11.784 36.803,11.637 37.183,11.346 37.473,11.056 U3.3@37.473,10.929 ; R1.1@40.411,8.063 R1.1 39.961,7.595 38.329,7.595
  Bottom Layer w0.15: v1(36.144,14.275) 37.363,14.275 37.77,13.868 C6.2@37.77,12.192 ; v1(36.69,5.5) 36.69,4.69 37.211,4.169 37.211,3.099 v1(37.795,2.515)
VDD_SPI: C20.1 ESP1.29 R13.1 U4.8 | length 14.4
  Top Layer w0.15: v1(12.954,7.747) v1(15.24,7.747)
  Bottom Layer w0.15: ESP1.29 12.05,8.056 12.359,7.747 v1(12.954,7.747) 13.792,7.747 15.113,9.068 15.113,11.074 14.201,11.986 R13.1@13.293,11.986 ; C20.1@13.386,5.452 14.776,5.452 14.808,5.485 U4.8@14.808,5.512 ; U4.8@14.96,5.232 14.96,7.461 15.24,7.74 v1(15.24,7.747)
XCL: U2.7
XDA: U2.6
pads on no net: ESP1.1 ESP1.6 ESP1.7 ESP1.8 ESP1.9 ESP1.10 ESP1.11 ESP1.17 ESP1.18 ESP1.19 ESP1.21 ESP1.22 ESP1.28 ESP1.36 ESP1.37 ESP1.44 ESP1.45 ESP1.47 ESP1.48 ESP1.52 JP1. U2.2 U2.3 U2.4 U2.5 U2.14 U2.15 U2.16 U2.17 U2.19 U2.21 U2.22 U6.1 U6.5 U6.6 U6.7 U6.8 U6.14

## Polygon pours and split planes (outlines as drawn)
GND on Bottom Layer "GND_L02_P003" (solid, remove dead copper, pour order 3): 2.69,0.806 cw(c10.281,7.811) -0.048,7.889 -0.045,7.824 cw(c9.449,8.204) 2.667,14.859 38.28,14.881 cw(c30.688,7.877) 41.017,7.798 41.014,7.864 cw(c31.521,7.483) 38.302,0.828 38.302,0.787
GND on Top Layer "GND_L01_P002" (solid, remove dead copper, pour order 2): 2.69,0.806 cw(c10.281,7.811) -0.048,7.889 -0.045,7.824 cw(c9.449,8.204) 2.667,14.859 38.28,14.881 cw(c30.688,7.877) 41.017,7.798 41.014,7.864 cw(c31.521,7.483) 38.302,0.828 38.302,0.787

## Keep-outs
Keep-Out Layer:
  lines w0.254: -0.048,7.889 ccw(c10.281,7.811) 2.69,0.806 ; -0.045,7.824 cw(c9.449,8.204) 2.667,14.859 38.28,14.881 cw(c30.688,7.877) 41.017,7.798 ; 2.69,0.787 38.302,0.787 ; 38.302,0.828 ccw(c31.521,7.483) 41.014,7.864

## Other copper
Top Layer:
  rectangle net 5V: 33.553,7.087 34.188,8.255
  rectangle net 5V: 28.753,7.087 29.388,8.255
  rectangle net GND: 37.084,4.826 39.406,5.892
  region net Vbat: 38.887,13.284 ccw(c37.784,13.284) 38.564,14.065 38.024,14.605 35.662,14.605 ccw(c36.581,14.605) 35.931,13.955 36.601,13.284
  region net GND: 36.906,13.081 39.274,13.081 cw(c38.489,12.296) 39.599,12.296 39.599,11.887 36.906,11.887
Bottom Layer:
  rectangle net 3.3V: 6.87,1.6 7.47,2.18
  rectangle net 3.3V: 21.51,5.92 22.27,6.65
  rectangle net 1.8V: 20.955,11.481 22.504,12.065
  rectangle net 3.3V: 23.546,11.455 25.095,12.065
  rectangle net 3.3V: 25.959,10.135 26.314,10.744
  region net 3.3V: 25.91,7.13 25.974,7.13 ccw(c25.974,7.506) 26.24,7.24 26.49,7.24 26.603,7.127 ccw(c27.03,7.554) 27.03,6.95 27.03,6.71 26.415,6.71 ccw(c26.415,6.095) 25.98,6.53 25.91,6.53
  region net 1.8V: 22.301,11.532 22.301,11.417 ccw(c22.822,11.417) 22.454,11.049 22.911,11.049 22.911,11.557
  region net 3.3V: 4.573,13.174 3.607,12.573 2.083,12.294 1.016,11.227 ccw(c2.733,9.51) 0.305,9.51 0.305,8.839 1.702,8.839 cw(c1.702,7.797) 2.439,8.534 3.531,7.442 4.064,7.976 ccw(c4.003,7.976) 4.046,8.019 3.023,9.042 ccw(c1.98,8.001) 1.98,9.474 1.295,9.474 1.295,10.085 cw(c2.336,10.085) 1.6,10.82 2.276,11.496 cw(c3.404,10.369) 3.404,11.963 cw(c3.404,11.903) 3.447,11.946 3.886,11.506 5.15,12.77 ccw(c4.89,13.03) 5.258,13.03 5.99,13.762 cw(c6.553,13.198) 6.553,13.995 6.553,14.605 5.944,14.605 5.944,14.275

## Silkscreen, mask and mechanical layers (free items; w line width, h text height)
Top Overlay:
  text "LEDP" at 1.09,5.67 h1 r270
Bottom Overlay:
  text "Rev 1.1" at 13.11,3.352 h0.8 r180
  text "Health Tracker Bracelet" at 13.41,2.457 h1.3 r180
Top Solder:
  drawing of 2 lines, arcs and shapes, not listed
Mechanical 1:
  lines w0.254: 36.779,5.156 36.779,9.576 40.005,9.576 40.005,5.156 36.779,5.156